# Altium PCB DIOT_Kasli_Adapter.PcbDoc (part 2 of 10) (continued)
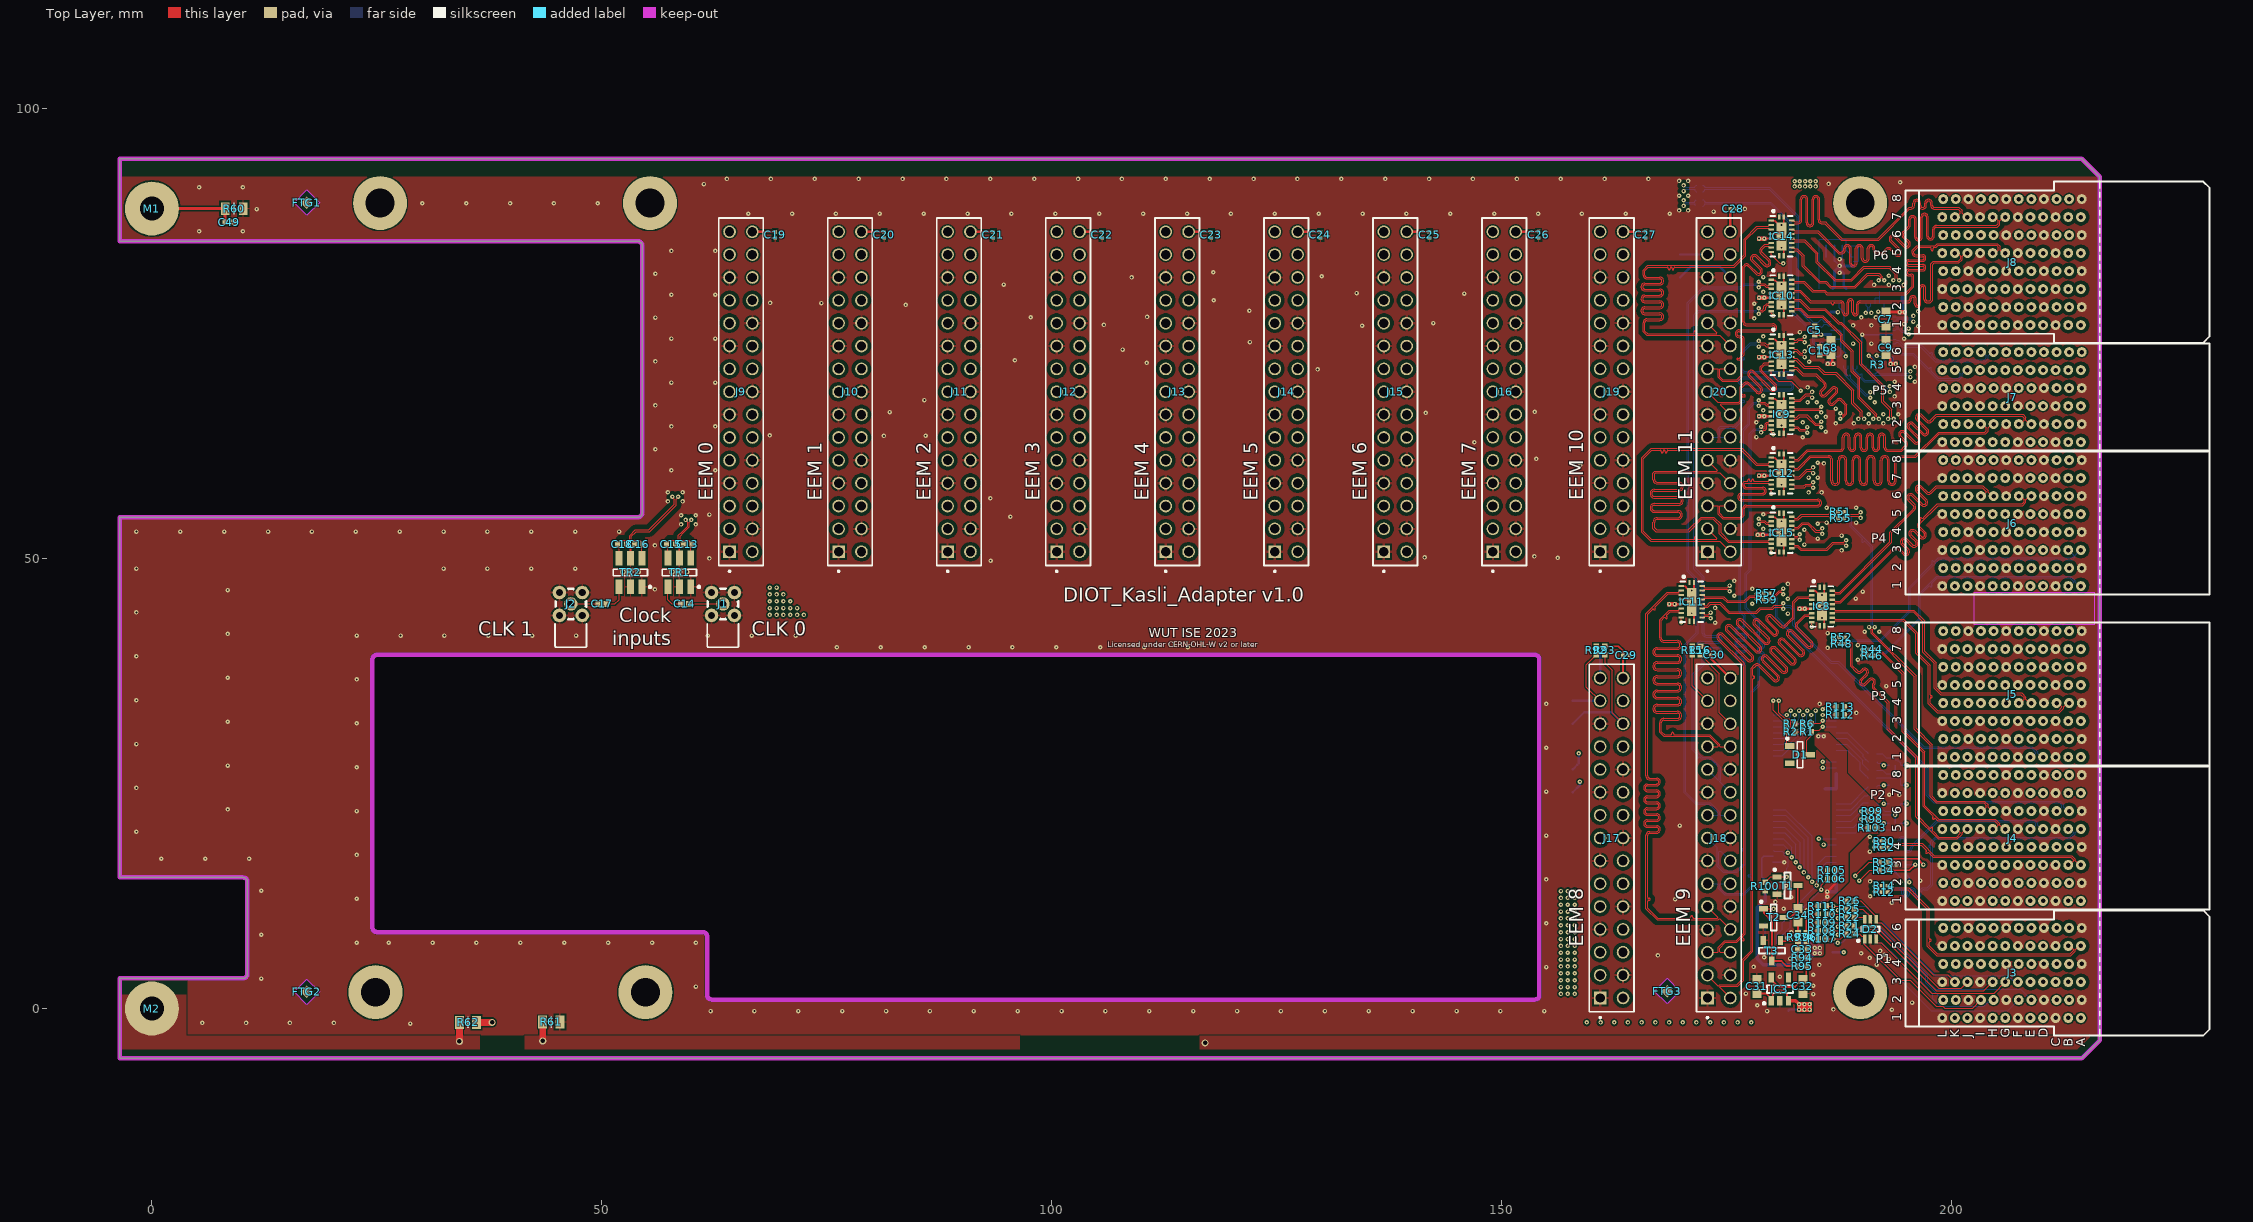
[diagram p0: Top Layer view]
## Nets (pads, with @x,y where several pads share a name; then routed paths per layer and width w, separated by ;. In a path a pad name is that pad's centre, name@x,y a point inside that pad or via, vN(x,y) a via of type N, cw(c..) or ccw(c..) an arc to the next point about the centre after c; other vN are vias at no path point)
1_PE_CLK_5_N: IC1.9 J7.B5 | length 30.5
  L6 w0.089: v1(190.957,68.502) 191.009,68.502 191.214,68.296 191.934,68.296 192.792,67.439 195.76,67.439 197.816,69.494 197.847,69.525 ccw(c197.771,69.602) 197.847,69.678 197.785,69.74 cw(c197.862,69.816) 197.785,69.892 cw(c197.862,69.816) 197.938,69.892 198,69.831 ccw(c198.076,69.907) 198.152,69.831 198.285,69.964 198.406,70.084 213.195,70.084 213.561,70.45 213.561,70.524 213.134,70.95 J7.B5@212.969,70.95
  Bottom Layer w0.089: IC1.9@188.525,71.456 188.525,71.178 188.37,71.023 188.37,70.514 188.37,70.425 188.458,70.337 ccw(c188.535,70.413) 188.611,70.337 188.613,70.339 cw(c188.69,70.262) 188.766,70.339 cw(c188.69,70.262) 188.766,70.186 188.764,70.184 ccw(c188.84,70.108) 188.764,70.031 188.948,69.847 190.511,68.283 190.706,68.283 190.925,68.502 v1(190.957,68.502)
1_PE_CLK_5_P: IC1.10 J7.A5 | length 30.5
  L6 w0.089: v1(190.957,67.875) 191.009,67.875 191.214,68.08 191.845,68.08 192.702,67.223 195.85,67.223 198.495,69.868 213.285,69.868 213.777,70.36 213.777,70.524 214.203,70.95 J7.A5@214.369,70.95
  Bottom Layer w0.089: IC1.10@188.025,71.456 188.025,71.178 188.18,71.023 188.18,70.346 190.433,68.093 190.706,68.093 190.925,67.875 v1(190.957,67.875)
1_PE_TX_2_N: J3.B5 R14.2 | length 27.6
  Top Layer w0.089: R14.2@192.863,13.654 192.883,13.654 193.048,13.489 193.048,13.446 193.1,13.394 195.238,13.394 197.495,11.137 197.495,7.849 197.495,7.804 ccw(c197.602,7.804) 197.602,7.696 197.637,7.696 cw(c197.637,7.588) 197.637,7.48 197.602,7.48 ccw(c197.602,7.372) 197.495,7.372 197.495,7.214 197.495,6.997 198.42,6.072 213.182,6.072 213.573,6.463 213.573,6.536 213.16,6.95 J3.B5@212.969,6.95
1_PE_TX_2_P: J3.A5 R12.2 | length 27.6
  Top Layer w0.089: R12.2@192.863,12.943 192.883,12.943 193.048,13.108 193.048,13.151 193.1,13.203 195.159,13.203 197.304,11.058 197.304,6.918 198.341,5.881 213.261,5.881 213.764,6.384 213.764,6.536 214.178,6.95 J3.A5@214.369,6.95
2_PE_CLK_5_N: IC1.7 J7.E5 | length 23.8
  L7 w0.089: v1(193.157,69.153) 193.209,69.153 193.415,68.947 197.372,68.947 198.032,69.608 198.064,69.639 ccw(c197.987,69.715) 198.064,69.792 198.018,69.837 cw(c198.094,69.914) 198.018,69.99 cw(c198.094,69.914) 198.171,69.99 198.216,69.944 ccw(c198.293,70.021) 198.369,69.944 198.515,70.09 198.577,70.152 209.12,70.152 209.361,70.393 209.361,70.534 208.945,70.95 J7.E5@208.769,70.95
  Bottom Layer w0.089: IC1.7@189.525,71.456 189.525,71.178 189.37,71.023 189.37,70.817 189.618,70.569 189.739,70.448 ccw(c189.815,70.525) 189.891,70.448 189.914,70.471 cw(c189.99,70.395) 190.066,70.471 cw(c189.99,70.395) 190.066,70.318 190.044,70.296 ccw(c190.12,70.219) 190.044,70.143 190.228,69.959 190.356,69.831 191.855,69.831 192.751,68.934 192.907,68.934 193.125,69.153 v1(193.157,69.153)
2_PE_CLK_5_P: IC1.8 J7.D5 | length 23.8
  L7 w0.089: v1(193.157,68.526) 193.209,68.526 193.415,68.731 197.461,68.731 198.666,69.936 209.209,69.936 209.577,70.304 209.577,70.561 209.966,70.95 J7.D5@210.169,70.95
  Bottom Layer w0.089: IC1.8@189.025,71.456 189.025,71.178 189.18,71.023 189.18,70.738 190.278,69.64 191.776,69.64 192.672,68.744 192.907,68.744 193.125,68.526 v1(193.157,68.526)
2_PE_TX_2_N: J4.B3 R32.2 | length 22.7
  Top Layer w0.089: R32.2@192.851,17.901 192.871,17.901 193.036,18.066 193.036,18.109 193.088,18.161 196.619,18.161 197.001,17.779 197.185,17.595 cw(c197.109,17.518) 197.185,17.442 197.161,17.418 ccw(c197.237,17.341) 197.161,17.265 ccw(c197.237,17.341) 197.313,17.265 197.338,17.289 cw(c197.414,17.213) 197.491,17.289 197.611,17.169 197.98,16.8 213.27,16.8 213.573,16.496 213.573,16.423 213.101,15.95 J4.B3@212.969,15.95
2_PE_TX_2_P: J4.A3 R30.2 | length 22.7
  Top Layer w0.089: R30.2@192.851,18.612 192.871,18.612 193.036,18.446 193.036,18.404 193.088,18.352 196.726,18.352 198.088,16.99 213.349,16.99 213.764,16.575 213.764,16.423 214.237,15.95 J4.A3@214.369,15.95
3_PE_CLK_5_N: IC1.4 J7.H5 | length 17.2
  L10 w0.089: v1(195.427,70.796) 195.492,70.796 195.685,70.603 196.632,70.603 197.176,70.059 197.79,70.059 197.834,70.059 ccw(c197.834,70.167) 197.942,70.167 197.942,70.275 cw(c198.05,70.275) 198.158,70.275 198.158,70.167 ccw(c198.266,70.167) 198.266,70.059 198.45,70.059 204.77,70.059 205.148,70.437 205.148,70.511 204.709,70.95 J7.H5@204.569,70.95
  Bottom Layer w0.089: IC1.4@191.025,71.456 191.025,71.178 190.87,71.023 190.87,70.856 191.156,70.57 191.389,70.57 191.56,70.57 ccw(c191.56,70.678) 191.668,70.678 191.668,70.681 cw(c191.776,70.681) 191.884,70.681 191.884,70.678 ccw(c191.992,70.678) 191.992,70.57 192.253,70.57 194.712,70.57 194.72,70.577 195.177,70.577 195.395,70.796 v1(195.427,70.796)
3_PE_CLK_5_P: IC1.5 J7.G5 | length 17.2
  L10 w0.089: v1(195.427,70.169) 195.492,70.169 195.685,70.361 196.532,70.361 197.076,69.818 204.87,69.818 205.389,70.337 205.389,70.511 205.829,70.95 J7.G5@205.969,70.95
  Bottom Layer w0.089: IC1.5@190.525,71.456 190.525,71.178 190.68,71.023 190.68,70.777 191.077,70.379 194.791,70.379 194.799,70.387 195.177,70.387 195.395,70.169 v1(195.427,70.169)
3_PE_TX_3_N: J6.B1 R47.2 | length 28.6
  Bottom Layer w0.089: R47.2@191.511,39.219 191.531,39.219 191.697,39.385 191.697,39.427 191.749,39.479 192.762,39.479 196.529,43.247 196.529,45.981 197.283,46.735 197.467,46.919 cw(c197.544,46.842) 197.62,46.919 197.644,46.894 ccw(c197.721,46.971) 197.797,46.894 ccw(c197.721,46.971) 197.797,47.047 197.773,47.071 cw(c197.849,47.148) 197.773,47.224 197.918,47.37 198.409,47.86 213.151,47.86 213.573,47.437 213.573,47.364 213.16,46.95 J6.B1@212.969,46.95
3_PE_TX_3_P: J6.A1 R45.2 | length 28.6
  Bottom Layer w0.089: R45.2@191.511,39.93 191.531,39.93 191.697,39.765 191.697,39.722 191.749,39.67 192.683,39.67 196.339,43.326 196.339,46.06 198.33,48.051 213.23,48.051 213.764,47.516 213.764,47.364 214.178,46.95 J6.A1@214.369,46.95
4_PE_CLK_5_N: IC1.42 J7.K5 | length 10.4
  Bottom Layer w0.089: IC1.42@193.475,73.406 193.753,73.406 193.907,73.251 194.102,73.251 194.511,72.842 195.726,72.842 197.377,71.19 197.409,71.159 ccw(c197.485,71.235) 197.562,71.159 197.586,71.183 cw(c197.662,71.107) 197.739,71.183 cw(c197.662,71.107) 197.739,71.031 197.714,71.006 ccw(c197.791,70.93) 197.714,70.854 197.898,70.67 198.544,70.023 200.725,70.023 200.973,70.272 200.973,70.536 200.56,70.95 J7.K5@200.369,70.95
4_PE_CLK_5_P: IC1.43 J7.J5 | length 10.4
  Bottom Layer w0.089: IC1.43@193.475,72.906 193.753,72.906 193.907,73.061 194.023,73.061 194.432,72.652 195.647,72.652 198.466,69.833 200.804,69.833 201.164,70.193 201.164,70.536 201.578,70.95 J7.J5@201.769,70.95
4_PE_TX_3_N: J6.B3 R53.2 | length 32.2
  Bottom Layer w0.089: R53.2@188.142,41.255 188.162,41.255 188.38,41.038 188.38,40.995 192.062,40.995 195.215,44.148 195.215,46.765 197.809,49.359 197.841,49.391 ccw(c197.764,49.467) 197.841,49.543 197.824,49.56 cw(c197.901,49.636) 197.824,49.712 cw(c197.901,49.636) 197.977,49.712 197.993,49.696 ccw(c198.07,49.772) 198.146,49.696 198.416,49.966 198.519,50.069 213.376,50.069 213.582,50.276 213.582,50.349 212.981,50.95 J6.B3@212.969,50.95
4_PE_TX_3_P: J6.A3 R49.2 | length 32.2
  Bottom Layer w0.089: R49.2@188.142,40.544 188.162,40.544 188.328,40.71 188.328,40.752 188.38,40.804 192.141,40.804 195.405,44.069 195.405,46.686 198.598,49.879 213.09,49.879 213.454,49.879 213.772,50.197 213.772,50.354 J6.A3@214.369,50.95
5_PE_CLK_5_N: IC1.37 J7.C6 | length 22.3
  L10 w0.089: v1(195.224,75.563) 195.289,75.563 195.481,75.37 195.726,75.37 196.481,74.615 196.481,73.853 197.385,72.95 197.416,72.919 ccw(c197.492,72.995) 197.569,72.919 197.623,72.973 cw(c197.699,72.896) 197.776,72.973 cw(c197.699,72.896) 197.776,72.82 197.721,72.766 ccw(c197.798,72.69) 197.721,72.613 197.842,72.493 198.193,72.142 211.953,72.142 212.248,72.437 212.248,72.511 211.809,72.95 J7.C6@211.669,72.95
  Bottom Layer w0.089: IC1.37@193.475,75.906 193.753,75.906 193.907,75.751 194.159,75.751 194.566,75.345 194.974,75.345 195.192,75.563 v1(195.224,75.563)
5_PE_CLK_5_P: IC1.38 J7.B6 | length 22.3
  L10 w0.089: v1(195.224,74.936) 195.289,74.936 195.481,75.129 195.626,75.129 196.24,74.515 196.24,73.753 198.093,71.9 212.053,71.9 212.489,72.337 212.489,72.511 212.929,72.95 J7.B6@213.069,72.95
  Bottom Layer w0.089: IC1.38@193.475,75.406 193.753,75.406 193.907,75.561 194.08,75.561 194.487,75.154 194.974,75.154 195.192,74.936 v1(195.224,74.936)
5_PE_TX_3_N: J6.B5 R59.2 | length 47.4
  Top Layer w0.089: R59.2@179.775,45.446 179.795,45.446 179.96,45.612 179.96,45.655 180.012,45.707 180.358,45.707 180.915,46.264 181.053,46.264 181.271,46.045 v1(181.303,46.045)
  L4 w0.089: v1(181.303,46.045) 181.368,46.045 181.561,46.238 182.024,46.238 183.431,47.644 190.331,47.644 192.519,49.832 193.27,50.583 cw(c193.436,50.417) 193.602,50.583 194.246,49.939 ccw(c194.583,50.275) 194.92,49.939 ccw(c194.583,50.275) 194.955,50.573 194.955,50.577 194.226,51.306 cw(c194.392,51.472) 194.226,51.638 cw(c194.392,51.472) 194.559,51.638 ; 194.559,51.638 195.252,50.945 ccw(c195.589,51.281) 195.926,50.944 ccw(c195.589,51.281) 195.961,51.578 195.961,51.583 195.232,52.312 cw(c195.398,52.478) 195.232,52.644 cw(c195.398,52.478) 195.565,52.644 ; 195.565,52.643 196.257,51.951 ccw(c196.595,52.287) 196.932,51.95 ccw(c196.595,52.287) 196.967,52.584 196.967,52.588 196.287,53.269 cw(c196.453,53.435) 196.287,53.601 196.404,53.717 198.496,55.81 213.201,55.81 213.548,55.463 213.548,55.389 213.109,54.95 J6.B5@212.969,54.95
5_PE_TX_3_P: J6.A5 R57.2 | length 47.8
  Top Layer w0.089: R57.2@179.775,46.158 179.795,46.158 179.96,45.992 179.96,45.949 180.012,45.897 180.279,45.897 180.836,46.454 181.053,46.454 181.271,46.672 v1(181.303,46.672)
  L4 w0.089: v1(181.303,46.672) 181.368,46.672 181.561,46.479 181.925,46.479 183.331,47.886 190.231,47.886 192.348,50.003 193.099,50.754 cw(c193.436,50.417) 193.772,50.754 194.418,50.109 ccw(c194.583,50.275) 194.749,50.109 ccw(c194.583,50.275) 194.749,50.442 ; 194.749,50.442 194.056,51.135 cw(c194.392,51.472) 194.056,51.809 cw(c194.392,51.472) 194.69,51.844 194.694,51.844 195.423,51.115 ccw(c195.589,51.281) 195.755,51.115 ccw(c195.589,51.281) 195.755,51.448 ; 195.755,51.448 195.062,52.14 cw(c195.398,52.478) 195.061,52.815 cw(c195.398,52.478) 195.695,52.85 195.7,52.85 196.429,52.12 ccw(c196.595,52.287) 196.761,52.121 ccw(c196.595,52.287) 196.761,52.453 ; 196.76,52.454 196.117,53.097 cw(c196.453,53.435) 196.116,53.771 196.233,53.888 198.396,56.051 213.301,56.051 213.789,55.563 213.789,55.389 214.229,54.95 J6.A5@214.369,54.95
6_PE_CLK_5_N: IC1.35 J7.F6 | length 19.8
  L7 w0.089: v1(195.77,76.97) 195.822,76.97 196.027,76.764 196.532,76.764 197.434,75.863 197.434,73.05 197.459,73.024 197.49,72.993 ccw(c197.567,73.069) 197.643,72.993 197.687,73.037 cw(c197.763,72.96) 197.839,73.037 cw(c197.763,72.96) 197.839,72.884 197.796,72.84 ccw(c197.872,72.764) 197.796,72.688 197.954,72.529 198.383,72.1 207.743,72.1 208.061,72.418 208.061,72.534 207.645,72.95 J7.F6@207.469,72.95
  Bottom Layer w0.089: IC1.35@193.475,76.906 193.753,76.906 193.907,76.751 195.52,76.751 195.738,76.97 v1(195.77,76.97)
6_PE_CLK_5_P: IC1.36 J7.E6 | length 19.8
  L7 w0.089: v1(195.77,76.343) 195.822,76.343 196.027,76.548 196.443,76.548 197.218,75.773 197.218,72.96 198.294,71.884 207.832,71.884 208.277,72.329 208.277,72.561 208.666,72.95 J7.E6@208.869,72.95
  Bottom Layer w0.089: IC1.36@193.475,76.406 193.753,76.406 193.907,76.561 195.52,76.561 195.738,76.343 v1(195.77,76.343)
6_PE_TX_3_N: J6.B7
6_PE_TX_3_P: J6.A7
7_PE_CLK_5_N: IC1.40 J7.I6 | length 12.8
  Bottom Layer w0.089: IC1.40@193.475,74.406 193.753,74.406 193.907,74.251 194.109,74.251 194.664,73.697 196.668,73.697 197.501,72.864 197.533,72.832 ccw(c197.609,72.909) 197.686,72.832 197.71,72.857 cw(c197.786,72.78) 197.863,72.857 cw(c197.786,72.78) 197.863,72.704 197.838,72.68 ccw(c197.915,72.603) 197.838,72.527 198.024,72.341 198.273,72.092 203.669,72.092 203.873,72.296 203.873,72.536 203.46,72.95 J7.I6@203.269,72.95
7_PE_CLK_5_P: IC1.41 J7.H6 | length 12.8
  Bottom Layer w0.089: IC1.41@193.475,73.906 193.753,73.906 193.907,74.061 194.03,74.061 194.585,73.506 196.589,73.506 198.194,71.901 203.748,71.901 204.064,72.217 204.064,72.536 204.478,72.95 J7.H6@204.669,72.95
7_PE_TX_3_N: J7.B1 R55.2 | length 46.8
  Top Layer w0.089: R55.2@188.028,54.472 188.048,54.472 188.213,54.638 188.213,54.68 188.265,54.733 188.643,54.733 189.64,54.732 189.858,54.514 v1(189.89,54.514)
  L4 w0.089: v1(189.89,54.514) 189.955,54.514 190.147,54.707 190.526,54.707 190.775,54.955 190.775,55.423 190.775,55.683 cw(c190.883,55.683) 190.883,55.791 190.961,55.791 ccw(c190.961,55.899) 190.961,56.007 190.883,56.007 cw(c190.883,56.115) 190.775,56.115 190.775,56.286 190.775,56.645 191.042,56.913 191.425,57.295 cw(c191.591,57.129) 191.757,57.295 192.157,56.896 ccw(c192.494,57.232) 192.831,56.895 ccw(c192.494,57.232) 192.866,57.529 192.866,57.533 192.05,58.35 cw(c192.216,58.515) 192.05,58.681 cw(c192.216,58.515) 192.383,58.681 193.162,57.901 ccw(c193.5,58.237) 193.837,57.901 ccw(c193.5,58.237) 193.872,58.535 193.872,58.539 193.077,59.334 cw(c193.243,59.5) 193.077,59.666 cw(c193.243,59.5) 193.409,59.666 ; 193.41,59.666 193.992,59.084 ccw(c194.329,59.42) 194.666,59.083 ccw(c194.329,59.42) 194.701,59.717 194.701,59.721 194.082,60.34 cw(c194.249,60.506) 194.083,60.672 cw(c194.249,60.506) 194.415,60.672 ; 194.416,60.671 194.997,60.09 ccw(c195.335,60.426) 195.671,60.089 ccw(c195.335,60.426) 195.707,60.723 195.707,60.727 195.088,61.346 cw(c195.255,61.512) 195.088,61.678 cw(c195.255,61.512) 195.421,61.677 ; 195.421,61.677 196.003,61.095 ccw(c196.341,61.432) 196.677,61.095 ccw(c196.341,61.432) 196.713,61.729 196.713,61.733 196.094,62.352 cw(c196.26,62.517) 196.094,62.684 cw(c196.26,62.517) 196.427,62.683 ; 196.427,62.683 197.009,62.101 ccw(c197.346,62.437) 197.683,62.101 ccw(c197.346,62.437) 197.718,62.735 197.718,62.739 197.459,62.998 cw(c197.626,63.164) 197.46,63.33 197.576,63.447 197.89,63.76 213.274,63.76 213.548,63.485 213.548,63.363 213.135,62.95 J7.B1@212.969,62.95
7_PE_TX_3_P: J7.A1 R51.2 | length 46.8
  Top Layer w0.089: R51.2@188.028,55.183 188.048,55.183 188.213,55.018 188.213,54.975 188.265,54.923 188.722,54.923 189.64,54.923 189.858,55.141 v1(189.89,55.141)
  L4 w0.089: v1(189.89,55.141) 189.955,55.141 190.147,54.948 190.426,54.948 190.533,55.055 190.533,56.745 190.872,57.083 191.254,57.466 cw(c191.591,57.129) 191.928,57.466 192.328,57.065 ccw(c192.494,57.232) 192.66,57.065 ccw(c192.494,57.232) 192.66,57.398 191.88,58.178 cw(c192.216,58.515) 191.879,58.852 cw(c192.216,58.515) 192.513,58.887 192.518,58.887 193.334,58.071 ccw(c193.5,58.237) 193.666,58.071 ccw(c193.5,58.237) 193.666,58.404 192.907,59.163 cw(c193.243,59.5) 192.906,59.837 cw(c193.243,59.5) 193.54,59.872 193.544,59.872 194.163,59.253 ccw(c194.329,59.42) 194.495,59.254 ccw(c194.329,59.42) 194.495,59.586 193.913,60.168 cw(c194.249,60.506) 193.912,60.843 cw(c194.249,60.506) 194.546,60.878 194.55,60.878 195.169,60.259 ccw(c195.335,60.426) 195.501,60.26 ccw(c195.335,60.426) 195.501,60.592 194.919,61.174 cw(c195.255,61.512) 194.918,61.848 cw(c195.255,61.512) 195.552,61.884 195.556,61.884 196.175,61.265 ccw(c196.341,61.432) 196.507,61.265 ccw(c196.341,61.432) 196.506,61.598 195.924,62.18 cw(c196.26,62.517) 195.924,62.854 cw(c196.26,62.517) 196.558,62.89 196.562,62.89 197.181,62.271 ccw(c197.346,62.437) 197.512,62.271 ccw(c197.346,62.437) 197.512,62.604 197.29,62.826 cw(c197.626,63.164) 197.289,63.5 197.406,63.617 197.79,64.001 213.374,64.001 213.789,63.585 213.789,63.345 214.184,62.95 J7.A1@214.369,62.95
8_PE_CLK_5_N: IC1.29 J7.L6 | length 18.8
  L10 w0.089: v1(190.461,77.304) 190.461,77.24 190.654,77.047 190.654,76.721 190.134,76.2 190.134,75.675 190.832,74.976 191.57,74.976 192.676,76.083 192.676,76.895 193.829,78.048 196.645,78.048 197.168,77.525 197.168,75.481 198.699,73.95 199.444,73.95 199.648,73.746 199.648,73.389 199.209,72.95 J7.L6@199.069,72.95
  Bottom Layer w0.089: v1(190.461,77.304) 190.461,77.336 190.68,77.555 190.68,77.669 190.68,77.923 190.525,78.078 IC1.29@190.525,78.356
8_PE_CLK_5_P: IC1.30 J7.K6 | length 18.8
  L10 w0.089: v1(191.088,77.304) 191.088,77.24 190.895,77.047 190.895,76.621 190.375,76.1 190.375,75.775 190.932,75.218 191.47,75.218 192.435,76.183 192.435,76.995 193.729,78.289 196.745,78.289 197.41,77.624 197.41,75.581 198.799,74.192 199.544,74.192 199.889,73.846 199.889,73.389 200.329,72.95 J7.K6@200.469,72.95
  Bottom Layer w0.089: IC1.30@191.025,78.356 191.025,78.078 190.87,77.923 190.87,77.748 190.87,77.555 191.088,77.336 v1(191.088,77.304)
8_PE_TX_3_N: J7.B3
8_PE_TX_3_P: J7.A3
AUX_DCXO_1_N: C4.2 IC1.20 R5.1 | length 27
  Bottom Layer w0.089: C4.2@172.364,91.508 172.389,91.508 172.545,91.353 172.545,91.3 172.597,91.248 179.82,91.248 183.032,88.036 183.032,77.843 184.624,76.251 185.164,76.251 185.539,76.626 R5.1@185.559,76.626 185.575,76.626 185.821,76.38 185.821,76.303 185.873,76.251 186.142,76.251 186.297,76.406 IC1.20@186.575,76.406
AUX_DCXO_1_P: C3.2 IC1.19 R5.2 | length 27
  Bottom Layer w0.089: C3.2@172.364,90.797 172.389,90.797 172.545,90.953 172.545,91.005 172.597,91.057 179.741,91.057 182.841,87.957 182.841,77.765 184.545,76.061 185.164,76.061 185.539,75.686 R5.2@185.559,75.686 185.575,75.686 185.821,75.932 185.821,76.009 185.873,76.061 186.142,76.061 186.297,75.906 IC1.19@186.575,75.906
AUX_DCXO_C_1_N: C4.1 C18.1 TR2.4 | length 156.3
  Top Layer w0.089: TR2.4@51.907,50.048 51.907,51.431 C18.1@51.765,51.572 51.765,51.627 52.05,51.912 52.05,51.988 52.12,52.058 53.03,52.058 53.082,52.111 53.082,52.555 53.721,53.194 55.235,53.194 58.062,56.021 58.062,56.62 57.844,56.839 v1(57.844,56.871)
  L7 w0.089: v1(57.844,56.871) 57.844,56.923 58.049,57.128 58.049,57.745 59.816,59.512 59.816,87.716 63.361,91.261 169.96,91.261 170.166,91.466 v1(170.218,91.466)
  Bottom Layer w0.089: v1(170.218,91.466) 170.25,91.466 170.468,91.248 171.432,91.248 171.484,91.3 171.484,91.353 171.639,91.508 C4.1@171.664,91.508
AUX_DCXO_C_1_P: C3.1 C16.2 TR2.6 | length 156.2
  Top Layer w0.089: TR2.6@54.447,50.048 54.447,51.431 C16.2@54.589,51.572 54.589,51.627 54.305,51.912 54.305,51.988 54.234,52.058 53.325,52.058 53.272,52.111 53.272,52.476 53.8,53.004 55.314,53.004 55.369,53.058 ; 55.37,53.058 58.253,55.941 58.253,56.62 58.471,56.839 v1(58.471,56.871)
  L7 w0.089: v1(58.471,56.871) 58.471,56.923 58.265,57.128 58.265,57.656 60.032,59.422 60.032,87.626 62.098,89.692 62.282,89.876 cw(c62.359,89.8) 62.435,89.876 62.474,89.837 ccw(c62.55,89.913) 62.627,89.837 ccw(c62.55,89.913) 62.627,89.99 62.588,90.029 cw(c62.664,90.105) 62.588,90.182 62.72,90.315 63.451,91.045 169.96,91.045 v1@170.166,90.839
  Bottom Layer w0.089: v1(170.218,90.839) 170.25,90.839 170.468,91.057 171.432,91.057 171.484,91.005 171.484,90.953 171.639,90.797 C3.1@171.664,90.797
CHASSIS: C49.1 M1.1 M2.1 R60.1 R62.2 | length 212.6
  Top Layer w0.305: M1.1@0,88.9 R60.1@8.128,88.9 C49.1@8.128,87.376
  Top Layer w0.762: v4(34.18,-3.65) R62.2@34.18,-1.538
  L3 w0.762: M2.1@0,0 12.688,0 14.141,1.453 14.141,36.721 28.778,51.359 53.746,51.359 56.249,53.862 56.249,58.606 56.845,59.202 56.845,84.963 59.385,87.503 59.385,92.456 58.318,93.523 4.623,93.523 M1.1@0,88.9
CLK_DIV_5: D1.3 IC5.16 R1.1 | length 6
  Top Layer w0.127: D1.3@184.309,28.206 184.19,28.206 183.928,28.468 183.928,29.797 184.426,30.295 R1.1@184.426,30.756 184.613,30.943 185.301,30.943 v1(185.678,31.32)
  Bottom Layer w0.127: v1(185.678,31.32) IC5.16@187.166,31.32
CLK_IN_SEL_5: IC5.15 R6.1 | length 2.9
  Top Layer w0.127: R6.1@184.426,31.67 184.446,31.69 185.399,31.69 v1(185.678,31.97)
  Bottom Layer w0.127: v1(185.678,31.97) IC5.15@187.166,31.97
DI/OT_LVDS_15_S1_2_N: J4.B5 R13.1 | length 29.6
  Bottom Layer w0.089: R13.1@192.863,13.654 192.883,13.654 193.048,13.489 193.048,13.446 193.1,13.394 193.7,13.394 194.246,13.394 cw(c194.246,12.968) 194.672,12.968 194.672,12.774 ccw(c194.907,12.774) 195.142,12.774 195.142,12.975 cw(c195.567,12.975) 195.993,12.975 195.993,12.774 ccw(c196.228,12.774) 196.463,12.774 196.463,12.968 cw(c196.888,12.968) 196.888,13.394 197.028,13.394 197.287,13.394 197.706,13.813 197.706,17.78 197.706,17.824 ccw(c197.598,17.824) 197.598,17.932 197.564,17.932 cw(c197.564,18.04) 197.564,18.148 197.598,18.148 ccw(c197.598,18.256) 197.706,18.256 197.706,18.415 197.706,18.569 198.181,19.043 213.154,19.043 213.573,19.463 213.573,19.536 213.16,19.95 J4.B5@212.969,19.95
DI/OT_LVDS_15_S1_2_P: J4.A5 R11.1 | length 29.6
  Bottom Layer w0.089: R11.1@192.863,12.943 192.883,12.943 193.048,13.108 193.048,13.151 193.1,13.203 193.7,13.203 194.246,13.203 cw(c194.246,12.968) 194.481,12.968 194.481,12.774 ccw(c194.907,12.774) 195.332,12.774 195.332,12.975 cw(c195.567,12.975) 195.802,12.975 195.802,12.774 ccw(c196.228,12.774) 196.653,12.774 196.653,12.968 cw(c196.888,12.968) 196.888,13.203 197.028,13.203 197.366,13.203 197.897,13.734 197.897,18.49 198.26,18.853 213.233,18.853 213.764,19.384 213.764,19.536 214.178,19.95 J4.A5@214.369,19.95
DI/OT_LVDS_15_S2_2_N: J4.E5 R31.1 | length 21.3
  Bottom Layer w0.089: R31.1@192.851,17.901 192.871,17.901 193.036,18.066 193.036,18.109 193.088,18.161 193.725,18.161 193.865,18.161 ccw(c193.865,18.587) 194.29,18.587 194.29,18.69 cw(c194.525,18.69) 194.76,18.69 194.76,17.804 ccw(c195.186,17.804) 195.611,17.804 cw(c195.846,17.804) 195.68,17.97 196.463,18.753 197.332,19.622 197.516,19.806 cw(c197.592,19.73) 197.669,19.806 197.696,19.779 ccw(c197.772,19.855) 197.849,19.779 ccw(c197.772,19.855) 197.849,19.931 197.821,19.959 cw(c197.898,20.035) 197.821,20.111 198.047,20.337 198.458,20.748 209.205,20.748 209.373,20.579 209.373,20.364 208.96,19.95 J4.E5@208.769,19.95
DI/OT_LVDS_15_S2_2_P: J4.D5 R29.1 | length 21.3
  Bottom Layer w0.089: R29.1@192.851,18.612 192.871,18.612 193.036,18.446 193.036,18.404 193.088,18.352 193.364,18.352 193.725,18.352 193.865,18.352 ccw(c193.865,18.587) 194.1,18.587 194.1,18.69 cw(c194.525,18.69) 194.951,18.69 194.951,17.804 ccw(c195.186,17.804) 195.421,17.804 cw(c195.846,17.804) 195.545,18.105 196.463,19.022 198.379,20.938 209.283,20.938 209.564,20.658 209.564,20.437 209.564,20.364 209.978,19.95 J4.D5@210.169,19.95
DI/OT_LVDS_15_S3_N: J4.H5 R46.1 | length 30.1
  Top Layer w0.089: R46.1@191.511,39.219 191.531,39.219 191.697,39.385 191.697,39.427 191.749,39.479 192.221,39.479 194.533,37.167 194.533,30.762 196.851,28.444 196.851,22.48 197.753,21.579 197.937,21.394 cw(c197.861,21.318) 197.937,21.242 197.913,21.217 ccw(c197.989,21.141) 197.913,21.065 ccw(c197.989,21.141) 198.065,21.065 198.09,21.089 cw(c198.166,21.013) 198.242,21.089 198.363,20.969 198.472,20.86 204.751,20.86 205.173,20.437 205.173,20.364 204.76,19.95 J4.H5@204.569,19.95
DI/OT_LVDS_15_S3_P: J4.G5 R44.1 | length 30.1
  Top Layer w0.089: R44.1@191.511,39.93 191.531,39.93 191.697,39.765 191.697,39.722 191.749,39.67 192.299,39.67 194.724,37.246 194.724,30.841 197.042,28.523 197.042,22.559 198.551,21.05 204.83,21.05 205.364,20.516 205.364,20.364 205.778,19.95 J4.G5@205.969,19.95
DI/OT_LVDS_15_S4_N: J4.K5 R52.1 | length 33.7
  Top Layer w0.089: R52.1@188.142,41.255 188.162,41.255 188.328,41.09 188.328,41.047 188.38,40.995 188.584,40.995 188.978,40.601 188.978,38.106 189.456,37.628 189.555,37.529 ccw(c189.72,37.696) 189.887,37.53 190.048,37.691 cw(c190.349,37.39) 190.65,37.691 cw(c190.349,37.39) 190.678,37.12 190.678,37.118 190.02,36.46 ccw(c190.186,36.293) 190.02,36.128 ; 190.02,36.127 ccw(c190.186,36.293) 190.352,36.127 190.821,36.596 cw(c191.121,36.295) 191.422,36.596 cw(c191.121,36.295) 191.422,35.994 ccw(c191.588,35.828) 191.422,35.662 191.872,35.212 193.054,34.03 193.054,31.111 196.22,27.945 196.22,21.418 197.537,20.101 197.568,20.07 ccw(c197.645,20.146) 197.721,20.07 197.745,20.094 cw(c197.822,20.018) 197.898,20.094 cw(c197.822,20.018) 197.898,19.942 197.874,19.917 ccw(c197.95,19.841) 197.874,19.765 198.011,19.628 198.595,19.043 199.575,19.043 200.554,19.043 200.973,19.463 200.973,19.536 200.56,19.95 J4.K5@200.369,19.95
DI/OT_LVDS_15_S4_P: J4.J5 R48.1 | length 33.7
  Top Layer w0.089: R48.1@188.142,40.544 188.162,40.544 188.328,40.71 188.328,40.752 188.38,40.804 188.505,40.804 188.788,40.522 188.788,38.027 189.321,37.494 189.419,37.395 ccw(c189.72,37.696) 190.021,37.395 190.183,37.557 cw(c190.349,37.39) 190.515,37.557 cw(c190.349,37.39) 190.515,37.224 189.885,36.594 ccw(c190.186,36.293) 190.487,35.993 190.955,36.461 cw(c191.121,36.295) 191.288,36.461 cw(c191.121,36.295) 191.288,36.129 ccw(c191.588,35.828) 191.288,35.527 191.737,35.077 192.863,33.951 192.863,31.032 196.03,27.866 196.03,21.339 198.516,18.853 199.654,18.853 200.633,18.853 201.164,19.384 201.164,19.536 201.578,19.95 J4.J5@201.769,19.95
DI/OT_LVDS_15_S5_N: J4.C6 R58.1 | length 46.2
  Bottom Layer w0.089: R58.1@179.775,45.446 179.795,45.446 179.96,45.612 179.96,45.655 180.012,45.707 180.26,45.707 180.449,45.517 180.449,43.395 197.195,26.65 197.195,23.694 198.047,22.841 212.03,22.841 212.273,22.598 212.273,22.364 211.86,21.95 J4.C6@211.669,21.95
DI/OT_LVDS_15_S5_P: J4.B6 R56.1 | length 46.5
  Bottom Layer w0.089: R56.1@179.775,46.158 179.795,46.158 179.96,45.992 179.96,45.949 180.012,45.897 180.339,45.897 180.64,45.596 180.64,43.474 197.385,26.729 197.385,23.773 198.126,23.032 212.109,23.032 212.464,22.676 212.464,22.364 212.878,21.95 J4.B6@213.069,21.95
DI/OT_LVDS_15_S6_N: J4.F6
DI/OT_LVDS_15_S6_P: J4.E6
DI/OT_LVDS_15_S7_N: J4.I6 R54.1 | length 43.6
  Top Layer w0.089: v1(190.838,42.39) 190.838,42.358 191.056,42.139 191.056,41.692 195.86,36.889 195.86,31.041 197.639,29.262 197.639,23.526 198.299,22.866 203.552,22.866 203.873,22.544 203.873,22.364 203.46,21.95 J4.I6@203.269,21.95
  Bottom Layer w0.089: R54.1@188.028,54.472 188.048,54.472 188.213,54.638 188.213,54.68 188.265,54.732 188.403,54.732 188.731,54.405 188.731,53.547 189.893,52.384 190.077,52.2 cw(c190.001,52.124) 190.077,52.048 190.053,52.023 ccw(c190.129,51.947) 190.053,51.87 ccw(c190.129,51.947) 190.206,51.87 190.23,51.895 cw(c190.306,51.819) 190.383,51.895 190.629,51.648 191.056,51.222 191.056,42.64 190.838,42.422 v1(190.838,42.39)
DI/OT_LVDS_15_S7_P: J4.H6 R50.1 | length 43.6
  Top Layer w0.089: v1(191.465,42.39) 191.465,42.358 191.246,42.139 191.246,41.771 196.05,36.968 196.05,31.12 197.829,29.341 197.829,23.605 198.378,23.056 203.631,23.056 204.064,22.623 204.064,22.364 204.478,21.95 J4.H6@204.669,21.95
  Bottom Layer w0.089: R50.1@188.028,55.183 188.048,55.183 188.213,55.018 188.213,54.975 188.265,54.923 188.482,54.923 188.921,54.484 188.921,53.626 191.246,51.301 191.246,42.64 191.465,42.422 v1(191.465,42.39)
DI/OT_LVDS_15_S8_N: J4.L6
DI/OT_LVDS_15_S8_P: J4.K6
EXT0.LVDS_0_N: J3.B3 J9.3 | length 184.2
  L3 w0.089: J9.3@64.19,53.302 65.374,52.118 65.625,52.118 65.659,52.152 69.768,52.152 75.019,46.901 76.581,46.901 76.746,46.901 ccw(c76.746,47.2) 77.045,47.2 77.045,47.367 cw(c77.584,47.367) 78.124,47.367 78.124,46.118 ccw(c78.423,46.118) 78.721,46.118 78.721,47.367 cw(c79.261,47.367) 79.8,47.367 79.8,46.118 ccw(c80.099,46.118) 80.397,46.118 80.397,47.367 cw(c80.937,47.367) 81.477,47.367 81.477,46.13 ccw(c81.775,46.13) 82.074,46.13 82.074,46.361 cw(c82.614,46.361) 82.614,46.901 83.802,46.901 93.637,46.901 96.105,44.433 104.36,44.433 106.625,42.168 153.087,42.168 157.226,38.029 157.226,33.604 160.28,30.55 164.452,30.55 172.176,22.826 176.715,22.826 180.741,18.8 181.62,18.8 198.294,2.127 213.471,2.127 213.548,2.204 213.548,2.371 J3.B3@212.969,2.95
EXT0.LVDS_0_P: J3.A3 J9.2 | length 184.1
  L3 w0.089: J9.2@66.73,50.762 65.707,51.785 65.707,51.858 65.759,51.911 69.668,51.911 74.919,46.66 76.581,46.66 76.746,46.66 ccw(c76.746,47.2) 77.286,47.2 77.286,47.367 cw(c77.584,47.367) 77.883,47.367 77.883,46.118 ccw(c78.423,46.118) 78.962,46.118 78.962,47.367 cw(c79.261,47.367) 79.559,47.367 79.559,46.118 ccw(c80.099,46.118) 80.639,46.118 80.639,47.367 cw(c80.937,47.367) 81.236,47.367 81.236,46.13 ccw(c81.775,46.13) 82.315,46.13 82.315,46.361 cw(c82.614,46.361) 82.614,46.66 83.802,46.66 93.537,46.66 96.005,44.192 104.26,44.192 106.525,41.927 152.987,41.927 156.985,37.929 156.985,33.504 160.18,30.309 164.352,30.309 172.076,22.584 176.615,22.584 180.641,18.559 181.52,18.559 198.194,1.886 213.571,1.886 213.789,2.104 213.789,2.371 J3.A3@214.369,2.95